# Altium PCB PCB.PcbDoc (part 1 of 2)
Units mm, origin at the board's own origin, x right, y up, seen from the top; angles counter-clockwise.
Board outline 126.1 x 30.1 mm, 6 copper layers (Top Layer, Signal Layer 1, Signal Layer 2, Signal Layer 3, Signal Layer 4, Bottom Layer), stack 1.537 mm thick; 174 components, 100 nets, 536 pads, 378 vias.
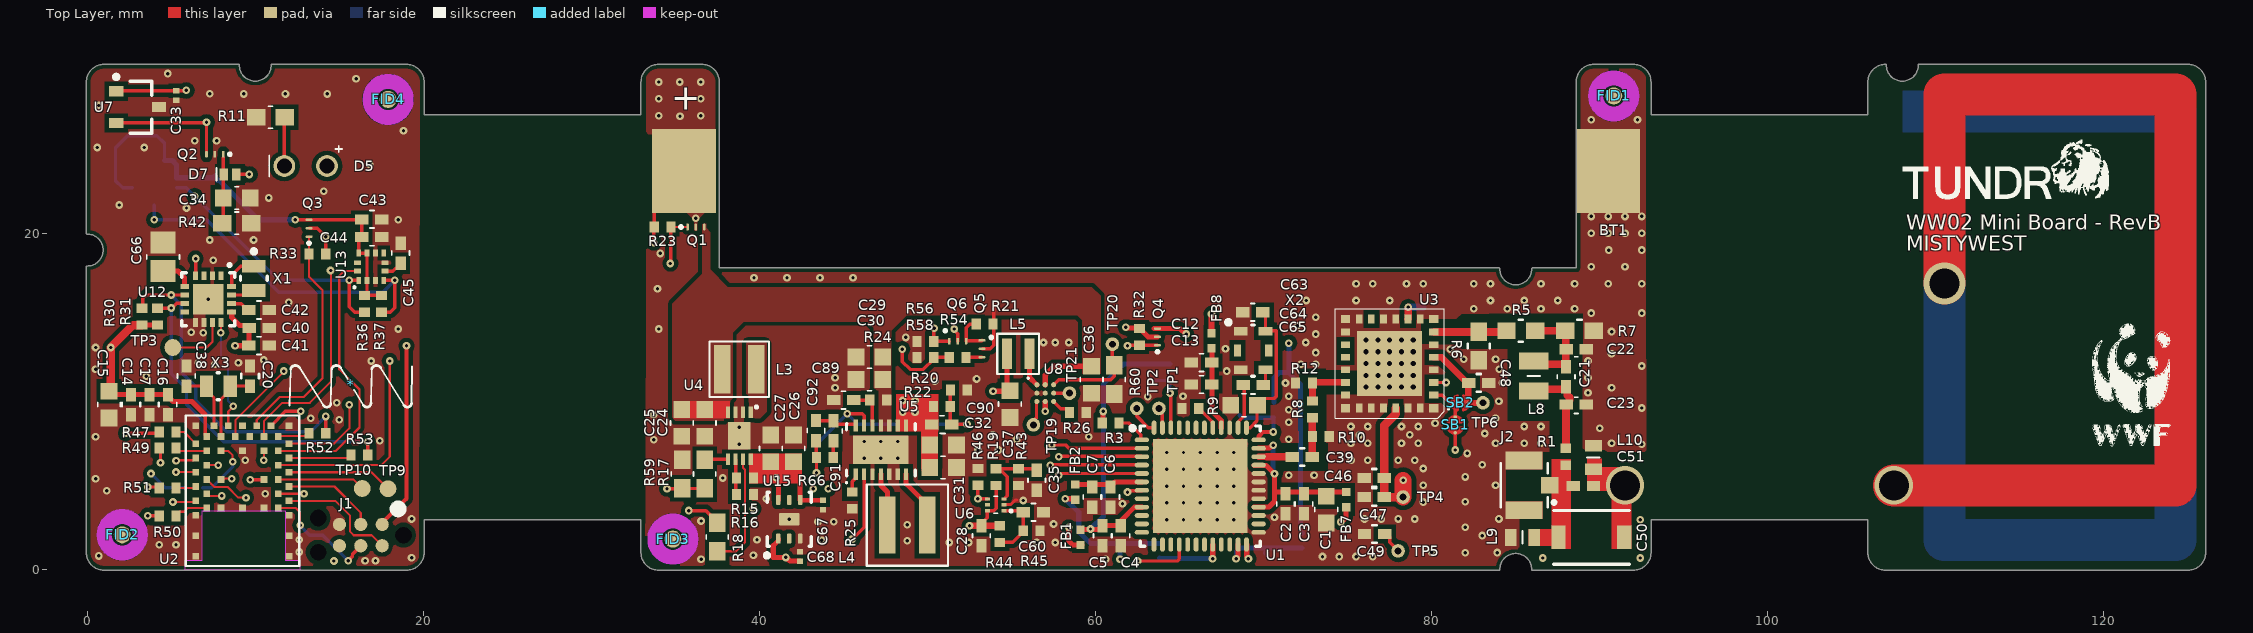
[diagram p0: Top Layer view]
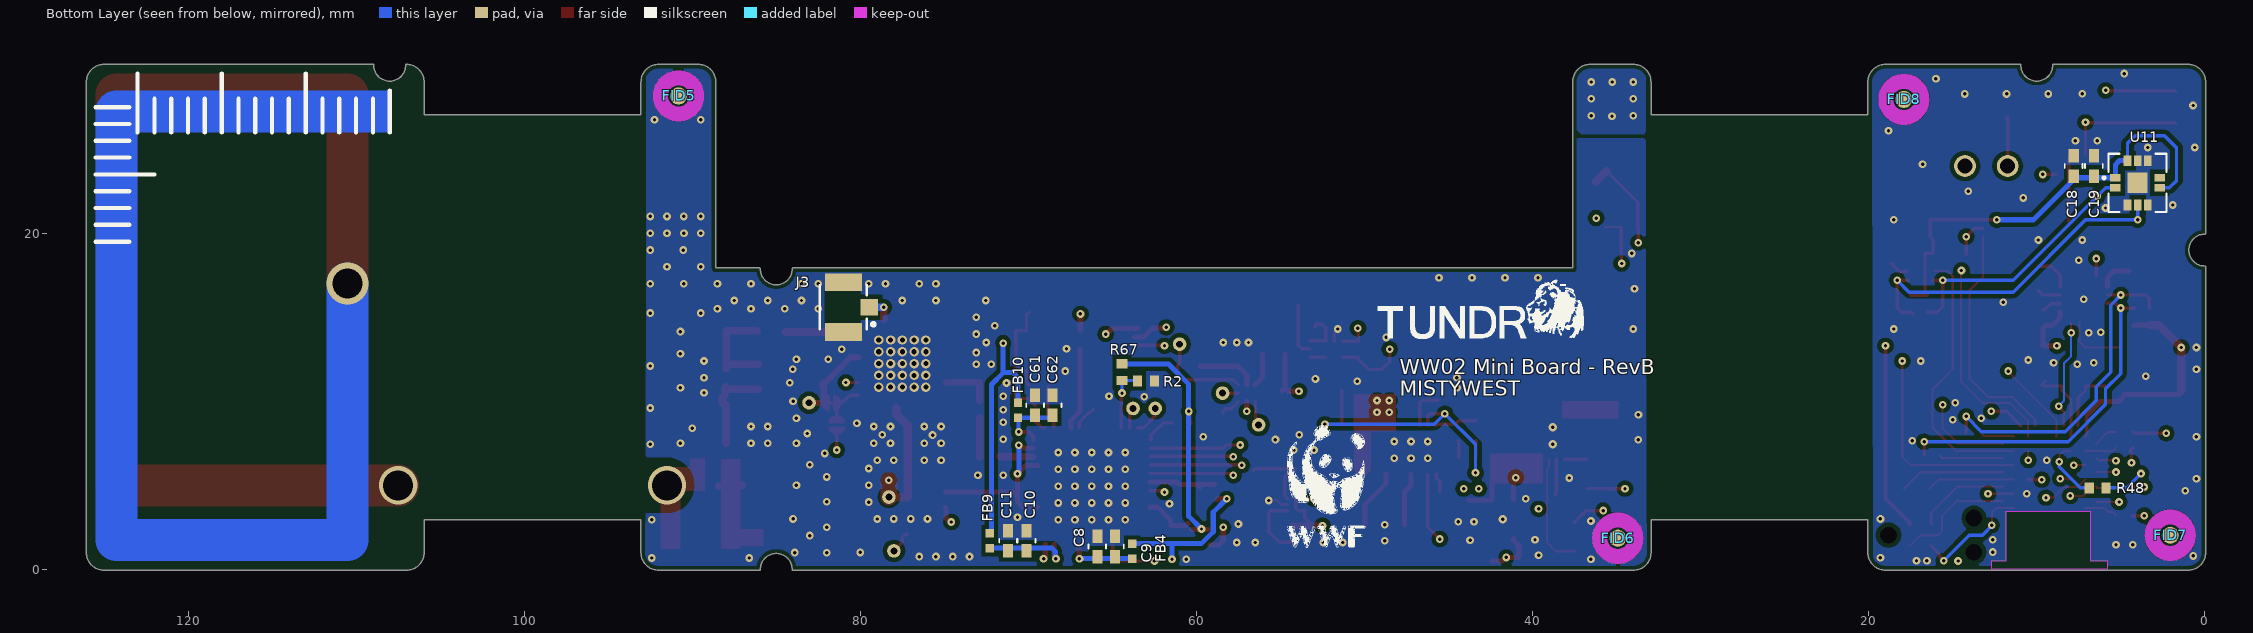
[diagram p1: Bottom Layer view, seen from below]
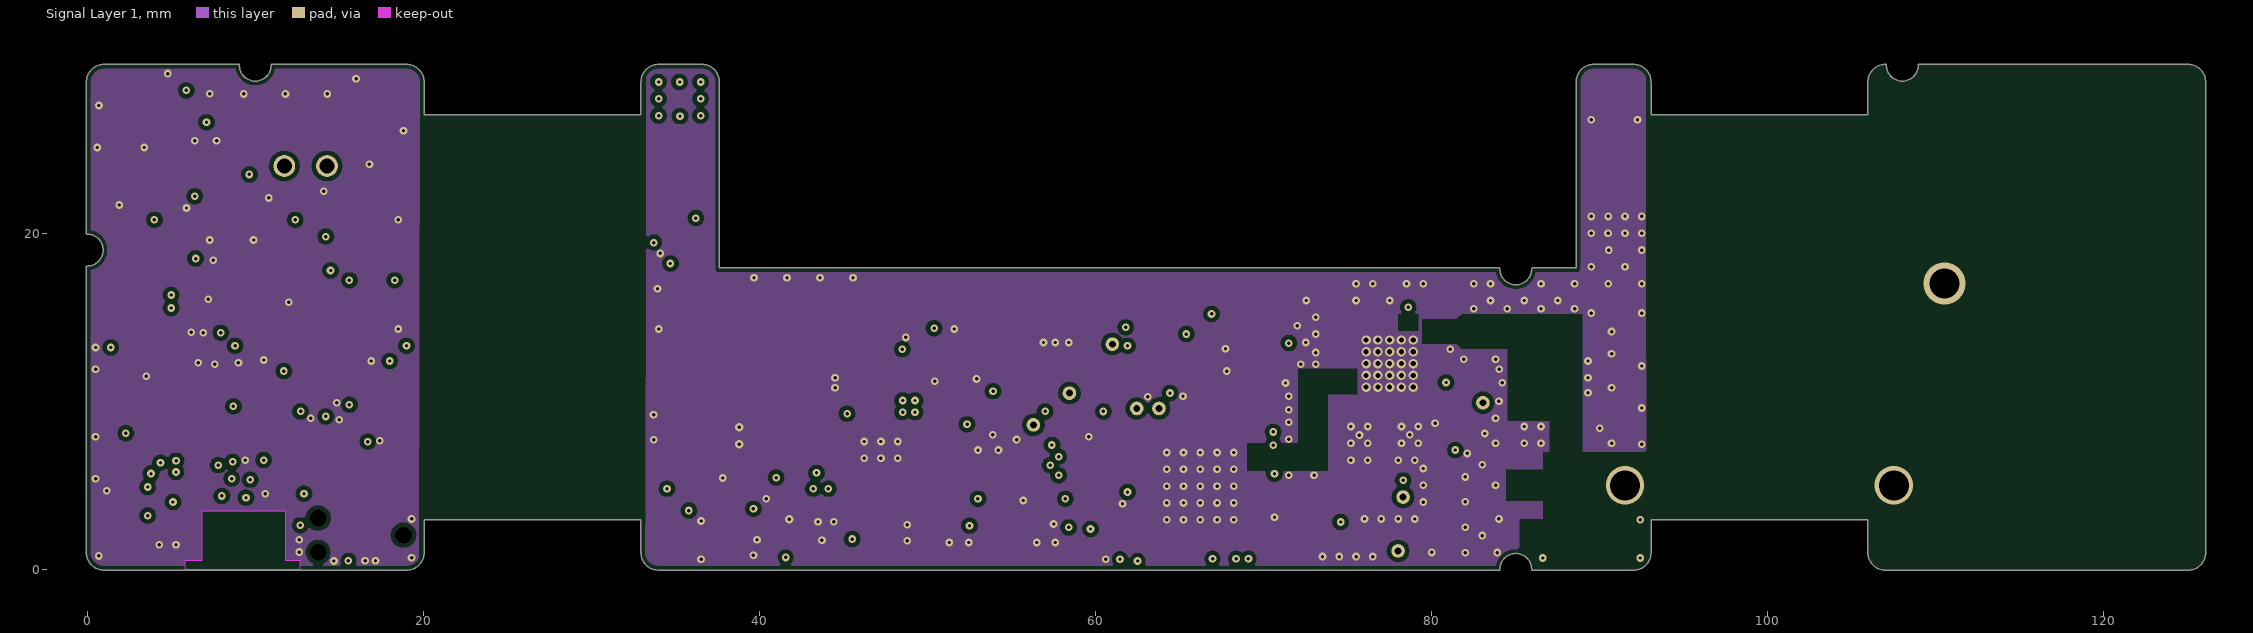
[diagram p2: Signal Layer 1]
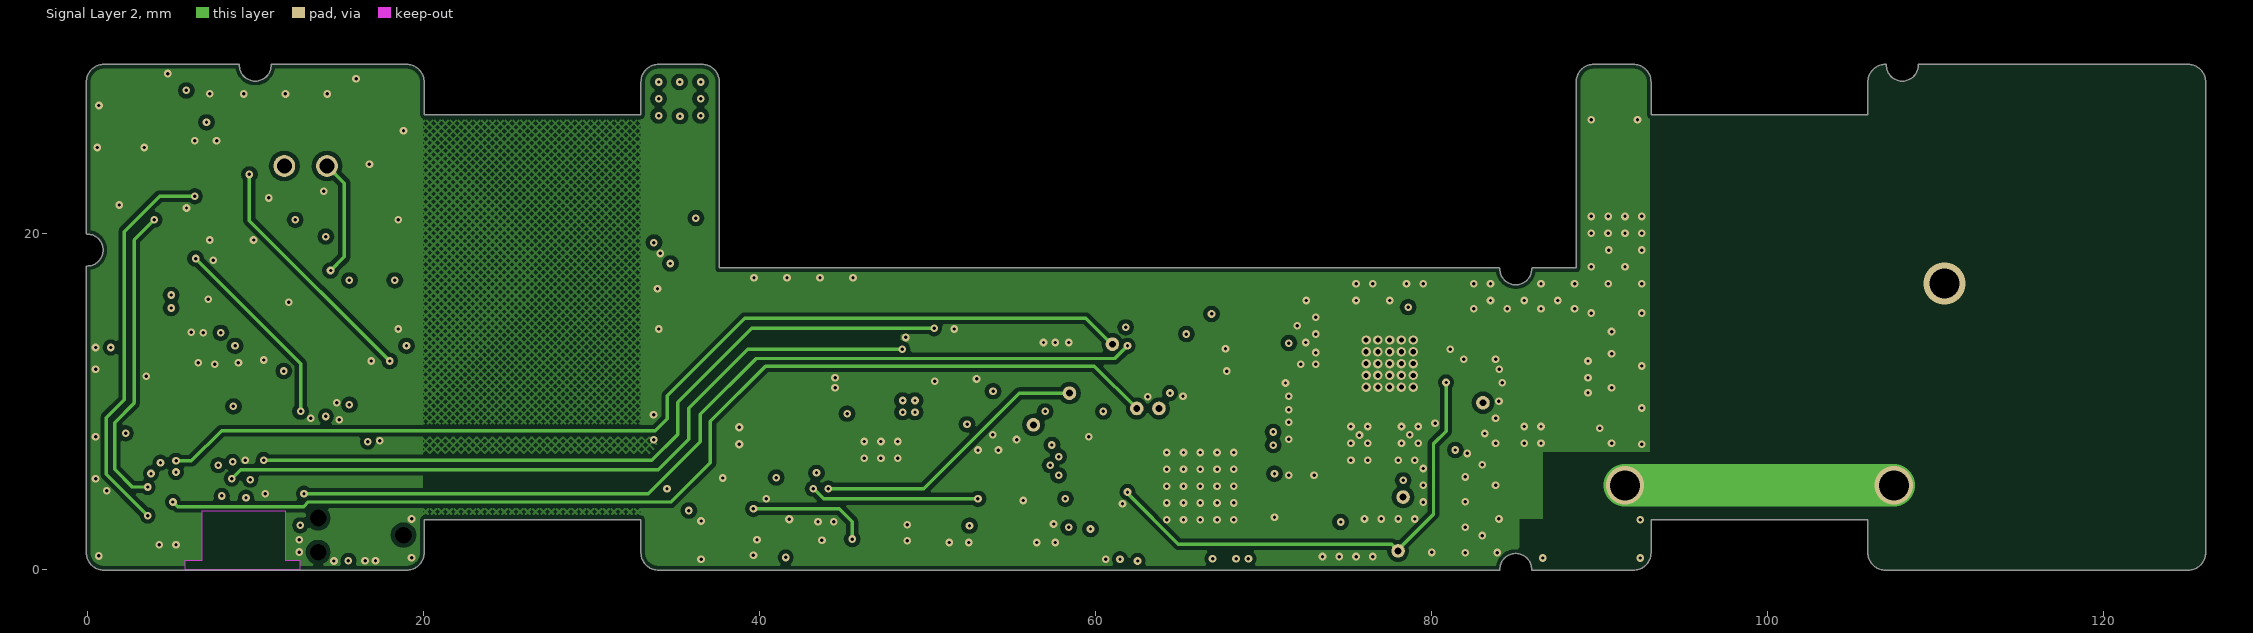
[diagram p3: Signal Layer 2]
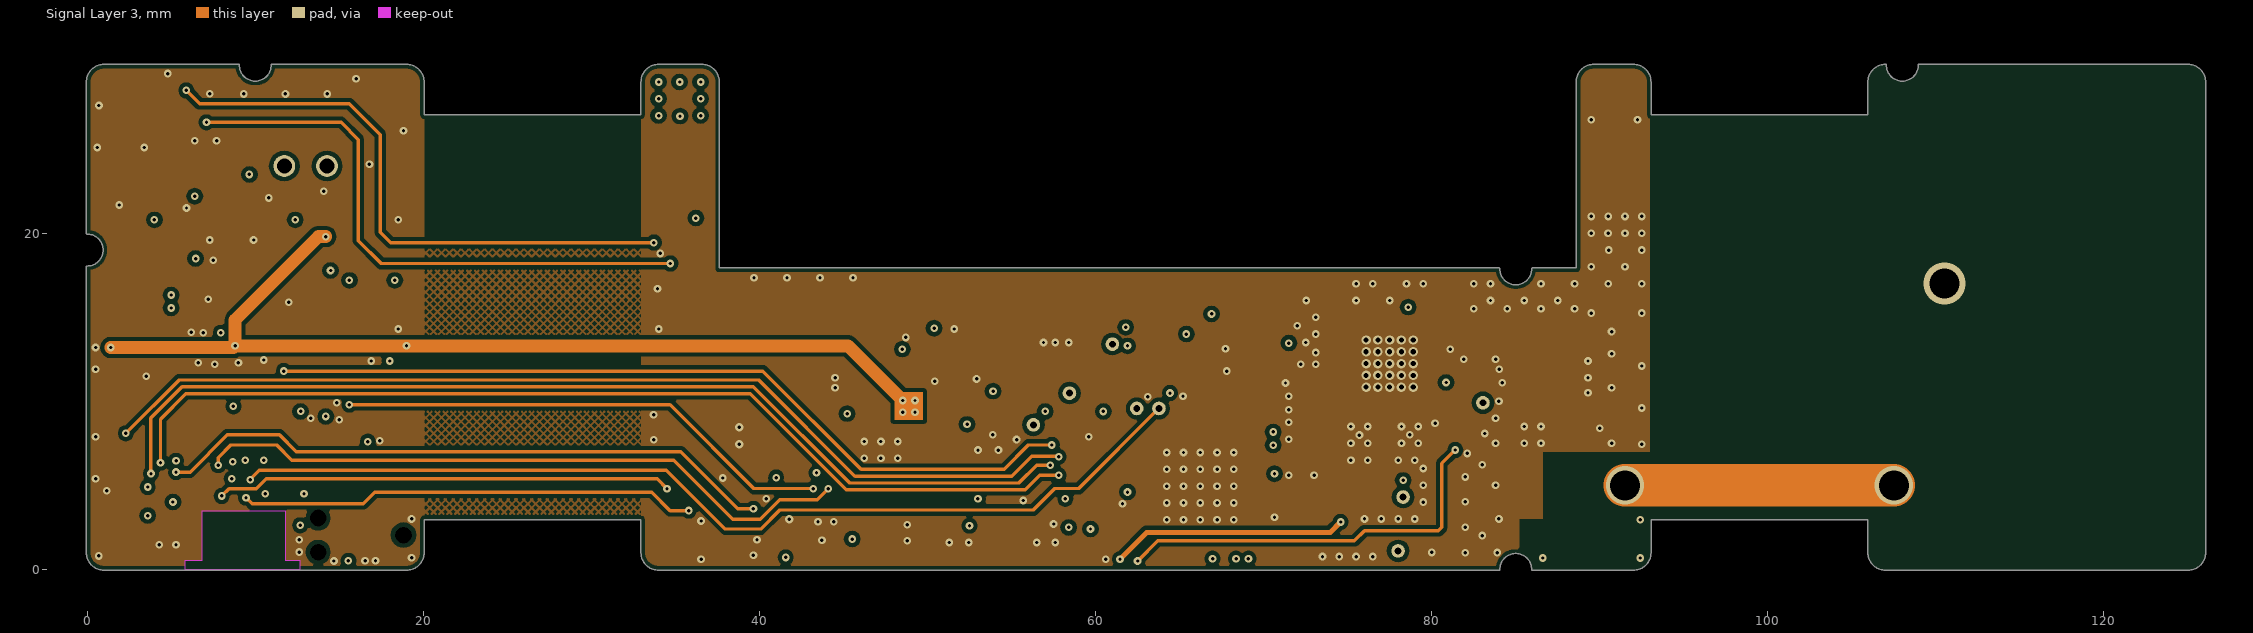
[diagram p4: Signal Layer 3]
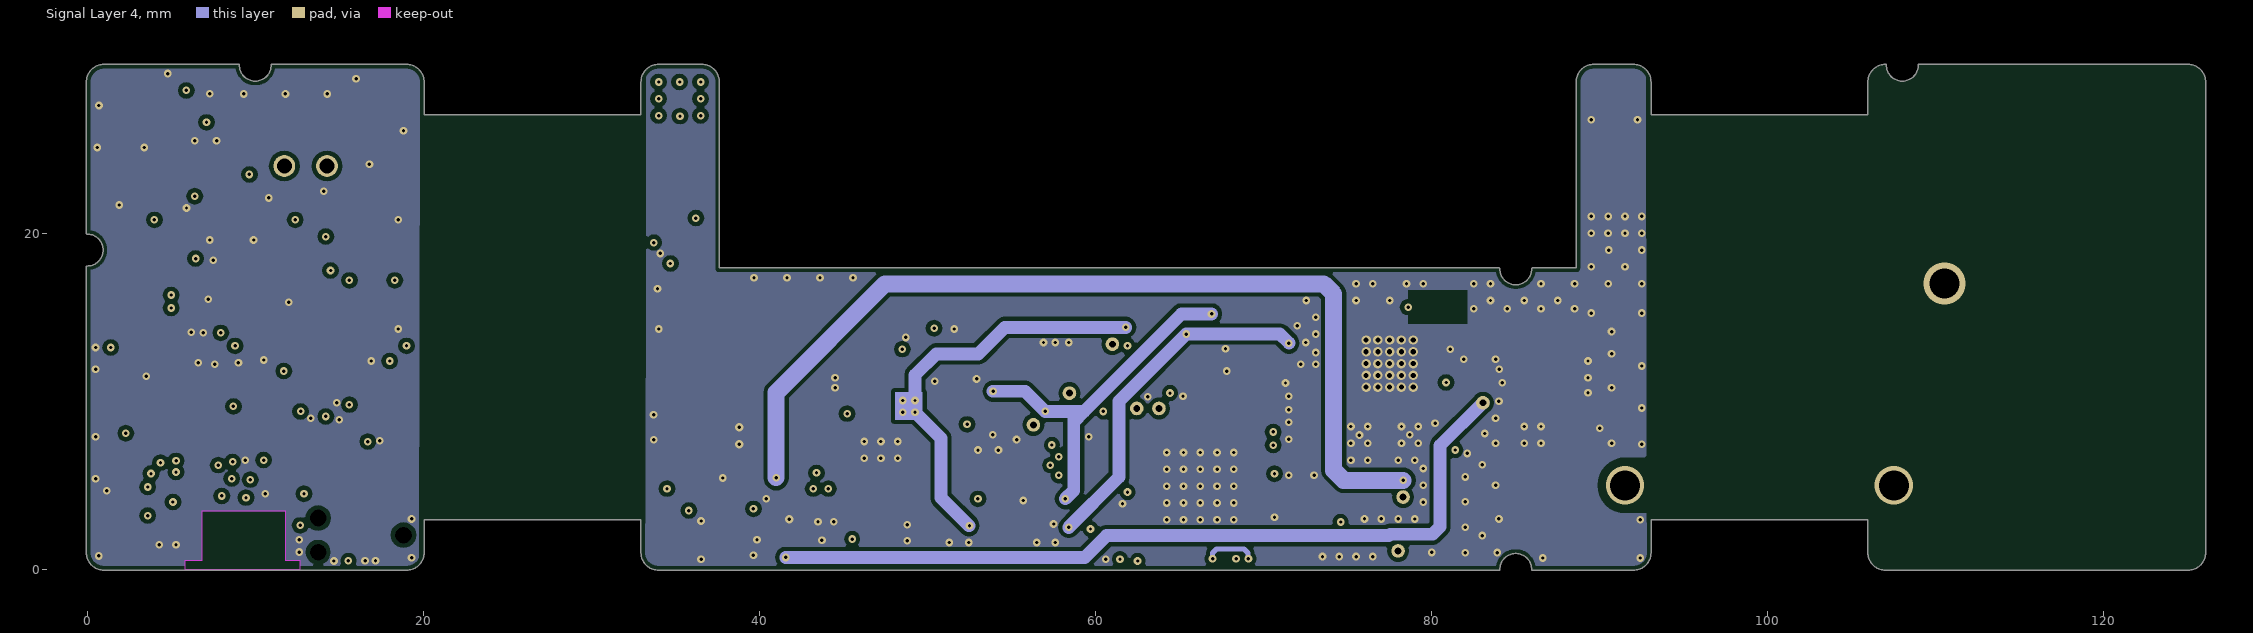
[diagram p5: Signal Layer 4]

## Layer stack, top to bottom
Top Solder: solder mask 0.0152, Solder Resist, Dk 3.5
Top Layer: signal copper 0.0356
Dielectric 1: core 0.254, FR-4, Dk 4.2
Signal Layer 1: signal copper 0.0178
Dielectric 3: prepreg 0.0838, PP-006, Dk 4.1
Dielectric 6: core 0.254, Core-009, Dk 4.5
Dielectric 7: prepreg 0.0737, PP-006, Dk 4.1
Signal Layer 2: signal copper 0.0178
Dielectric 4: core 0.0508, Dk 4.2
Signal Layer 3: signal copper 0.0178
Dielectric 9: prepreg 0.0864, PP-006, Dk 4.1
Dielectric 8: core 0.254, Core-009, Dk 4.5
Dielectric 5: prepreg 0.0838, PP-006, Dk 4.1
Signal Layer 4: signal copper 0.0178
Dielectric 2: core 0.254, Dk 4.2
Bottom Layer: signal copper 0.0356
Bottom Solder: solder mask 0.0152, Solder Resist, Dk 3.5

## Board outline
-0.05,1 ccw(c1,1) 1,-0.05 19,-0.05 ccw(c19,1) 20.05,1 20.05,2.95 32.95,2.95 32.95,1 ccw(c34,1) 34,-0.05 84,-0.05 ccw(c84,0) 84.05,0 cw(c85,0) 85.95,0 ccw(c86,0) 86,-0.05 92,-0.05 ccw(c92,1) 93.05,1 93.05,2.947 105.95,2.947 105.95,1 ccw(c107,1) 107,-0.05 125,-0.05 ccw(c125,1) 126.05,1 126.05,29 ccw(c125,29) 125,30.05 109,30.05 ccw(c109,30) 108.95,30 cw(c108,30) 107.05,30 ccw(c107,30) 107,30.05 ccw(c107,29) 105.95,29 105.95,27.05 93.05,27.05 93.05,29 ccw(c92,29) 92,30.05 89.646,30.05 ccw(c89.646,29) 88.596,29 88.596,17.932 86.006,17.932 ccw(c86,17.882) 85.95,17.882 cw(c85,17.882) 85.95,17.882 cw(c85,17.882) 84.05,17.882 cw(c85,17.882) 84.05,17.882 ccw(c84,17.882) 83.994,17.932 37.617,17.932 37.617,28.994 ccw(c37.567,29) 37.617,29 ccw(c36.567,29) 36.567,30.05 34,30.05 ccw(c34,29) 32.95,29 32.95,27.05 20.05,27.05 20.05,29 ccw(c19,29) 19,30.05 11,30.05 ccw(c11,30) 10.95,30 cw(c10,30) 9.05,30 ccw(c9,30) 9,30.05 1,30.05 ccw(c1,29) -0.05,29 -0.05,20 ccw(c0,20) 0,19.95 cw(c0,19) 0.95,19 cw(c0,19) 0,18.05 ccw(c0,18) -0.05,18
board region "Layer Stack Region 1": 20.002,0.673 19.931,0.502 19.816,0.33 19.67,0.184 19.498,0.069 19.306,-0.01 19.103,-0.05 19,-0.05 1,-0.05 0.897,-0.05 0.694,-0.01 0.502,0.069 0.33,0.184 0.184,0.33 0.069,0.502 -0.01,0.694 -0.05,0.897 -0.05,1 -0.05,18 -0.043,18.029 -0.029,18.043 -0.01,18.05 0.093,18.055 0.276,18.091 0.448,18.163 0.602,18.266 0.734,18.398 0.837,18.552 0.909,18.724 0.945,18.907 0.95,19 0.945,19.093 0.909,19.276 0.837,19.448 0.734,19.602 0.602,19.734 0.448,19.837 0.276,19.909 0.093,19.945 0,19.95 -0.029,19.957 -0.043,19.971 -0.05,19.99 -0.05,29 -0.05,29.103 -0.01,29.306 0.069,29.498 0.184,29.67 0.33,29.816 0.502,29.931 0.694,30.01 0.897,30.05 1,30.05 9,30.05 9.029,30.043 9.043,30.029 9.05,30.01 9.059,29.876 9.123,29.637 9.247,29.422 9.422,29.247 9.637,29.123 9.876,29.059 10.124,29.059 10.363,29.123 10.578,29.247 10.753,29.422 10.877,29.637 10.941,29.876 10.95,30 10.957,30.029 10.971,30.043 10.99,30.05 19,30.05 19.103,30.05 19.306,30.01 19.498,29.931 19.67,29.816 19.816,29.67 19.931,29.498 20.01,29.306 20.05,29.103 20.05,29 20.05,27.05 20.06,27.05
board region "Layer Stack Region 1": 32.95,2.733 32.95,2.95 20.05,2.95 20.05,1 20.05,0.897 20.01,0.694 20.001,0.673 20.06,27.05 32.95,27.05 32.95,29 32.95,29.103 32.99,29.306 33.005,29.342
board region "Layer Stack Region 1": 93.05,2.8 93.05,1 93.05,0.897 93.01,0.694 92.931,0.502 92.816,0.33 92.67,0.184 92.498,0.069 92.306,-0.01 92.103,-0.05 92,-0.05 86,-0.05 85.971,-0.043 85.957,-0.029 85.95,-0.01 85.941,0.124 85.877,0.363 85.753,0.578 85.578,0.753 85.363,0.877 85.124,0.941 84.876,0.941 84.637,0.877 84.422,0.753 84.247,0.578 84.123,0.363 84.059,0.124 84.05,0 84.043,-0.029 84.029,-0.043 84.01,-0.05 34,-0.05 33.897,-0.05 33.694,-0.01 33.502,0.069 33.33,0.184 33.184,0.33 33.069,0.502 32.99,0.694 32.95,0.897 32.95,1 32.95,2.742 33.005,29.342 33.069,29.498 33.184,29.67 33.33,29.816 33.502,29.931 33.694,30.01 33.897,30.05 34,30.05 36.567,30.05 36.67,30.05 36.873,30.01 37.065,29.931 37.237,29.816 37.383,29.67 37.498,29.498 37.577,29.306 37.617,29.103 37.617,29 37.617,17.932 83.994,17.932 84.025,17.927 84.041,17.913 84.05,17.893 84.059,17.758 84.123,17.518 84.247,17.304 84.422,17.129 84.637,17.005 84.876,16.941 85.124,16.941 85.363,17.005 85.578,17.129 85.753,17.304 85.877,17.518 85.941,17.758 85.95,17.882 85.959,17.913 85.975,17.927 85.996,17.933 88.596,17.932 88.596,29 88.596,29.103 88.636,29.306 88.715,29.498 88.83,29.67 88.976,29.816 89.148,29.931 89.34,30.01 89.543,30.05 89.646,30.05 92,30.05 92.103,30.05 92.306,30.01 92.498,29.931 92.67,29.816 92.816,29.67 92.931,29.498 92.995,29.342
board region "Layer Stack Region 1": 106,0.67 105.99,0.694 105.95,0.897 105.95,1 105.95,2.947 93.05,2.947 93.05,2.79 92.995,29.342 93.01,29.306 93.05,29.103 93.05,29 93.05,27.05 105.95,27.05 105.95,27.213
board region "Layer Stack Region 1": 105.95,27.203 105.95,29 105.95,29.103 105.99,29.306 106.069,29.498 106.184,29.67 106.33,29.816 106.502,29.931 106.694,30.01 106.897,30.05 107,30.05 107.029,30.043 107.043,30.029 107.05,30.01 107.059,29.876 107.123,29.637 107.247,29.422 107.422,29.247 107.637,29.123 107.876,29.059 108.124,29.059 108.363,29.123 108.578,29.247 108.753,29.422 108.877,29.637 108.941,29.876 108.95,30 108.957,30.029 108.971,30.043 108.99,30.05 125,30.05 125.103,30.05 125.306,30.01 125.498,29.931 125.67,29.816 125.816,29.67 125.931,29.498 126.01,29.306 126.05,29.103 126.05,29 126.05,1 126.05,0.897 126.01,0.694 125.931,0.502 125.816,0.33 125.67,0.184 125.498,0.069 125.306,-0.01 125.103,-0.05 125,-0.05 107,-0.05 106.897,-0.05 106.694,-0.01 106.502,0.069 106.33,0.184 106.184,0.33 106.069,0.502 106,0.67

## Design rules (kind name [scope] priority, off if disabled: settings)
BoardOutlineClearance [Not (OnLayer('Top Overlay') or  OnLayer('Bottom Overlay'))] p1: gap=0.254 ignorepadtopadclearanceinfootprint=FALSE except(0: Track-SplitContinuation Poly-SplitContinuation; 0.01: Text-OutlineEdge)
Clearance Clearance_SB [(HasFootprint('Solder_Bridge_Closed_50') OR HasFootprint('Solder_Bridge_Open_50')) vs (InNet('2V7') OR InNet('PA_TR')OR InNet('NetSB1_1'))] p1: gap=0 ignorepadtopadclearanceinfootprint=FALSE
Clearance [InPolygon vs InNetClass('RF')] p2: gap=0.508 ignorepadtopadclearanceinfootprint=FALSE
Clearance Clearance_to_keepout [IsKeepOut] p3: gap=0 ignorepadtopadclearanceinfootprint=FALSE
Clearance InnerLayer [(OnLayer('Signal Layer 1') OR OnLayer('Signal Layer 2') OR OnLayer('Signal Layer 3') OR OnLayer('Signal Layer 4') OR OnLayer('Multi-Layer')) vs (OnLayer('Signal Layer 1') OR OnLayer('Signal Layer 2') OR OnLayer('Signal Layer 3') OR OnLayer('Signal Layer 4') OR OnLayer('Multi-Layer'))] p4: gap=0.203 ignorepadtopadclearanceinfootprint=FALSE except(0.254: Arc-Poly Track-Poly SMDPad-Poly THPad-Poly Via-Poly Fill-Poly Poly-Poly Poly-Region Poly-Text Poly-Hole)
Clearance OuterLayer [All] p5: gap=0.127 ignorepadtopadclearanceinfootprint=FALSE except(0.254: Arc-Poly Track-Poly SMDPad-Poly THPad-Poly Via-Poly Fill-Poly Poly-Poly Poly-Region Poly-Text Poly-Hole)
HoleSize [All] p1: absolutevalues=TRUE maxlimit=25.4 minlimit=0.025 maxpercent=80.000 minpercent=20.000
MinimumAnnularRing [All] p1: minimumring=0.127
MinimumSolderMaskSliver ViaException [IsVia vs IsVia] p1: minsoldermaskwidth=0
MinimumSolderMaskSliver [All] p2: minsoldermaskwidth=0.051
PlaneConnect [All] p1: planeconnectstyle=Direct reliefexpansion=0.508 reliefentries=4 reliefconductorwidth=0.254 reliefairgap=0.254
PolygonConnect [All] p1: thpad.connectstyle=Relief thpad.reliefconductorwidth=0.254 thpad.reliefentries=4 thpad.polygonreliefangle="90 Angle" thpad.airgapwidth=0.254 smdpad.connectstyle=Direct smdpad.reliefconductorwidth=0.254 smdpad.reliefentries=4 smdpad.polygonreliefangle="90 Angle" smdpad.airgapwidth=0.254 via.connectstyle=Direct via.reliefconductorwidth=0.254 via.reliefentries=4 via.polygonreliefangle="90 Angle" via.airgapwidth=0.254
RoomDefinition Power [InComponentClass('Power')] p1: confinementstyle=ConfineIn formatcopy=TRUE lockcomponents=FALSE outline -0.9,0.1 95.6,0.1 95.6,36.1 -0.9,36.1
RoomDefinition Sensors [InComponentClass('Sensors')] p2: confinementstyle=ConfineIn formatcopy=TRUE lockcomponents=FALSE outline -7.5,25.448 -7.5,31.8 22.4,31.8 22.4,14.25 -0.514,14.25 -0.514,25.437
RoomDefinition RTC [InComponentClass('RTC')] p3: confinementstyle=ConfineIn formatcopy=TRUE lockcomponents=FALSE outline 1.6,9.934 1.6,15.858 1.6,22.45 7.112,22.45 7.112,20.576 15.913,20.576 15.913,15.796 19.812,15.796 19.838,11.553 19.838,9.934
RoomDefinition MCU [InComponentClass('MCU')] p4: confinementstyle=ConfineIn formatcopy=TRUE lockcomponents=FALSE outline -12.6,16.806 -12.6,28.6 7.027,28.6 22.9,28.6 22.9,-2.5 -5.675,-2.5 -5.675,3.068 -9.786,3.068 -9.786,16.806
RoomDefinition Artic [InComponentClass('Artic')] p5 off: confinementstyle=ConfineIn formatcopy=TRUE lockcomponents=FALSE outline 60.7,0 93,0 93,15.926 60.7,15.926
RoutingVias [All] p1: holewidth=0.203 width=0.457 viastyle="Through Hole" minholewidth=0.203 minwidth=0.457 maxholewidth=2.54 maxwidth=2.54
ShortCircuit ShortCircuit_SB [(HasFootprint('Solder_Bridge_Closed_50') OR HasFootprint('Solder_Bridge_Open_50')) vs (InNet('2V7') OR InNet('PA_TR')OR InNet('NetSB1_1'))] p1: allowed=TRUE
ShortCircuit [All] p2: allowed=FALSE
SilkToSilkClearance [All] p1: silktosilkclearance=0.01
SilkToSolderMaskClearance [All] p1: minsilkscreentomaskgap=0.01 clearancetoexposedcopper=FALSE
SolderMaskExpansion [All] p1: expansion=0.102 istentingtop=FALSE
Width InnerLayer_Width [(OnLayer('Signal Layer 1') OR OnLayer('Signal Layer 2') OR OnLayer('Signal Layer 3') OR OnLayer('Signal Layer 4') OR OnLayer('Multi-Layer'))] p1: maxlimit=2.54 minlimit=0.203 preferedwidth=0.203 minimp=50.000000 maximp=50.000000 favimp=50.000000
Width OuterLayer_Width [All] p2: maxlimit=2.54 minlimit=0.127 preferedwidth=0.203 minimp=50.000000 maximp=50.000000 favimp=50.000000
24 further rules are at their usual default settings.

## Classes and differential pairs
component class Sensors: C18 C19 C43 C44 C45 Q3 R33 R36 R37 U11 U13
component class Artic: C1 C2 C3 C4 C5 C6 C7 C8 C9 C10 C11 C12 C13 C21 C22 C23 C39 C46 C47 C48 C49 C50 C51 C61 C62 C63 C64 C65 FB1 FB2 FB4 FB7 FB8 FB9 FB10 J2 J3 L8 L9 L10 Q4 R1 R2 R3 R4 R5 R6 R7 R8 R9 R10 R12 R32 R67 SB1 SB2 TP1 TP2 TP4 TP5 TP6 U1 U3 X2
component class RTC: C40 C41 C42 C66 R30 R31 TP3 U12 X1
component class Power: BT1 C24 C25 C26 C27 C28 C29 C30 C31 C32 C33 C34 C35 C36 C37 C60 C67 C68 C89 C90 C91 C92 D7 L3 L4 L5 Q1 Q2 Q5 Q6 R15 R16 R17 R18 R19 R20 R21 R22 R23 R24 R25 R26 R42 R43 R44 R45 R46 R54 R56 R58 R59 R60 R66 TP19 TP20 TP21 U4 U5 U6 U7 U8 U15
component class MCU: C14 C15 C16 C17 C20 C38 D5 J1 R11 R47 R48 R49 R50 R51 R52 R53 TP9 TP10 U2 X3
component class SystemBlock: * FID1 FID2 FID3 FID4 FID5 FID6 FID7 FID8
net class RF: NetC21_1 NetC21_2 NetC39_2 PA_ANT PA_TX RF2_OUT_ANT TXOUT_ARGOS

## Components (designator, comment, footprint, x,y, rotation, side; value= is the part's Value field where it differs from the comment)
* "MW Logo New" MW_Logo_New_Small 15.7,11 r180 top
BT1 "TLP-96311/A/ST" TLP-96311/A/ST 63,23.698 r0 top locked
C1 "22µF" CAPC1608N-0603 73.725,3.556 r270 top
C2 "1µF" CAPC1005N-0402 71.3,3.9 r270 top
C3 "100nF" CAPC1005N-0402 72.4,3.9 r270 top
C4 "100nF" CAPC1005N-0402 61.5,2 r270 top
C5 "22pF" CAPC1005N-0402 60.4,2 r270 top
C6 "100nF" CAPC1005N-0402 60.9,4.3 r270 top
C7 "22pF" CAPC1005N-0402 59.8,4.3 r270 top
C8 "100nF" CAPC1005N-0402 65.891,1.358 r90 bottom
C9 "22pF" CAPC1005N-0402 64.85,1.358 r90 bottom
C10 "100nF" CAPC1005N-0402 70.1,1.7 r90 bottom
C11 "22pF" CAPC1005N-0402 71.2,1.7 r90 bottom
C12 "100nF" CAPC1005N-0402 66.3,12.3 r180 top
C13 "22pF" CAPC1005N-0402 66.3,11 r180 top
C14 "1µF" CAPC1005N-0402 4.8,9.8 r270 top
C15 "100nF" CAPC1005N-0402 3.7,9.8 r270 top
C16 "100nF" CAPC1005N-0402 2.6,9.8 r270 top
C17 "22µF 6.3V X5R" CAPC1608N-0603 1.3,9.8 r270 top
C18 "1µF" CAPC1005N-0402 7.8,24 r90 bottom
C19 "100nF" CAPC1005N-0402 6.6,24 r90 bottom
C20 "20pF" CAPC1005N-0402 9.7,11.5 r90 top
C21 "1.8pF" CAPC1005N-0402 88,11.462 r270 top
C22 "10pF" CAPC1005N-0402 88.6,13.1 r0 top
C23 "10pF" CAPC1005N-0402 88.6,9.8 r0 top
C24 "2.2uF" CAPC1608N-0603 36.743,8.719 r270 top
C25 "22µF 6.3V X5R" CAPC1608N-0603 35.382,8.718 r270 top
C26 "22µF 6.3V X5R" CAPC1608N-0603 42.023,7.204 r90 top
C27 "22µF 6.3V X5R" CAPC1608N-0603 40.676,7.204 r90 top
C28 "100nF" CAPC1005N-0402 53.2,2 r270 top
C29 "2.2uF" CAPC1608N-0603 46.536,12.64 r180 top
C30 "22µF 6.3V X5R" CAPC1608N-0603 46.536,11.294 r180 top
C31 "22µF 6.3V X5R" CAPC1608N-0603 50.93,6.059 r0 top
C32 "22µF 6.3V X5R" CAPC1608N-0603 50.93,7.406 r0 top
C33 "15nF" CAPC60X30X33L15N 5.3,28.2 r270 top
C34 "2.2uF" CAPC1608N-0603 8.9,22.1 r0 top
C35 "10pF" CAPC1005N-0402 56.5,5.3 r270 top
C36 "10µF 6.3V X5R" CAPC1608N-0603 59.765,11.285 r270 top
C37 "10µF 6.3V X5R" CAPC1608N-0603 54.899,9.83 r270 top
C38 "20pF" CAPC1005N-0402 5.9,11.5 r90 top
C39 "100pF" CAPC1005N-0402 72.3,6.687 r0 top
C40 "1µF" CAPC1005N-0402 10.235,14.373 r0 top
C41 "100nF" CAPC1005N-0402 10.221,13.313 r0 top
C42 "47pF" CAPC1005N-0402 10.225,15.44 r0 top
C43 "1µF" CAPC1005N-0402 16.939,20.824 r0 top
C44 "100nF" CAPC1005N-0402 16.939,19.783 r0 top
C45 "220nF" CAPC1005N-0402 18.656,18.815 r90 top
C46 "1µF" CAPC1005N-0402 76.581,5.449 r180 top
C47 "1µF" CAPC1005N-0402 76.581,4.304 r180 top
C48 "220nF" CAPC1005N-0402 82.8,11.1 r0 top
C49 "100pF" CAPC1005N-0402 76.6,2.1 r0 top
C50 "5.5-30pF 125V Trimmer" CAPC4531X17N 89.5,1.904 r0 top
C51 "33pF" CAPC1005N-0402 89.025,4.954 r0 top
C60 "10pF" CAPC1005N-0402 56.3,3.4 r0 top
C61 "100nF" CAPC1005N-0402 69.599,9.769 r90 bottom
C62 "22pF" CAPC1005N-0402 68.558,9.769 r90 bottom
C63 "10nF" CAPC1005N-0402 69.35,15.3 r0 top
C64 "10nF" CAPC1005N-0402 69.374,10.961 r180 top
C65 "1.0uF" CAPC1608N-0603 68.838,9.765 r0 top
C66 "47µF" CAPC2012N-0805 4.514,18.596 r270 top
C67 "470nF" CAPC60X30X33L15N 43.79,3.835 r270 top
C68 "470nF" CAPC60X30X33L15N 42.423,0.762 r90 top
C89 "10nF" CAPC1005N-0402 45.012,10.073 r180 top
C90 "47pF" CAPC1005N-0402 50.854,8.622 r0 top
C91 "680pF" CAPC1005N-0402 44.403,8.244 r270 top
C92 "6.8pF" CAPC1005N-0402 43.361,8.258 r270 top
D5 "WP710A10LSECK/J3" "T-1 (3mm)" 13,24 r180 top
D7 "CDBQR0130L" CDBQR0130L 8.5,23.5 r180 top
FB1 "BLM15AG221SN1D" MURA-BLM15-CHIP-2_V 59.1,1.9 r90 top
FB2 "BLM15AG221SN1D" MURA-BLM15-CHIP-2_V 58.8,4.6 r90 top
FB4 "BLM15AG221SN1D" MURA-BLM15-CHIP-2_V 63.808,1.079 r270 bottom
FB7 "BLM15AG221SN1D" MURA-BLM15-CHIP-2_V 74.919,4.156 r90 top
FB8 "BLM15AG221SN1D" MURA-BLM15-CHIP-2_V 66.9,13.6 r270 top
FB9 "BLM15AG221SN1D" MURA-BLM15-CHIP-2_V 72.3,1.7 r270 bottom
FB10 "BLM15AG221SN1D" MURA-BLM15-CHIP-2_V 70.615,9.469 r270 bottom
FID1 "FID_40mil" Fiducial_40mil 90.83,28.169 r0 top
FID2 "FID_40mil" Fiducial_40mil 2.087,2.057 r90 top
FID3 "FID_40mil" Fiducial_40mil 34.849,1.799 r90 top
FID4 "FID_40mil" Fiducial_40mil 17.907,27.965 r90 top
FID5 "FID_40mil" Fiducial_40mil 90.815,28.169 r90 bottom